# Altium PCB Segger_TypeC_DebugBoard_v1.PcbDoc
Units mm, origin at the board's own origin, x right, y up, seen from the top; angles counter-clockwise.
Board outline 46 x 42 mm, 4 copper layers (Top Layer, Ground 1, Ground 2, Bottom Layer), stack 2.12 mm thick; 26 components, 28 nets, 119 pads, 137 vias.
Unrouted connection lines stored in the file: 18.
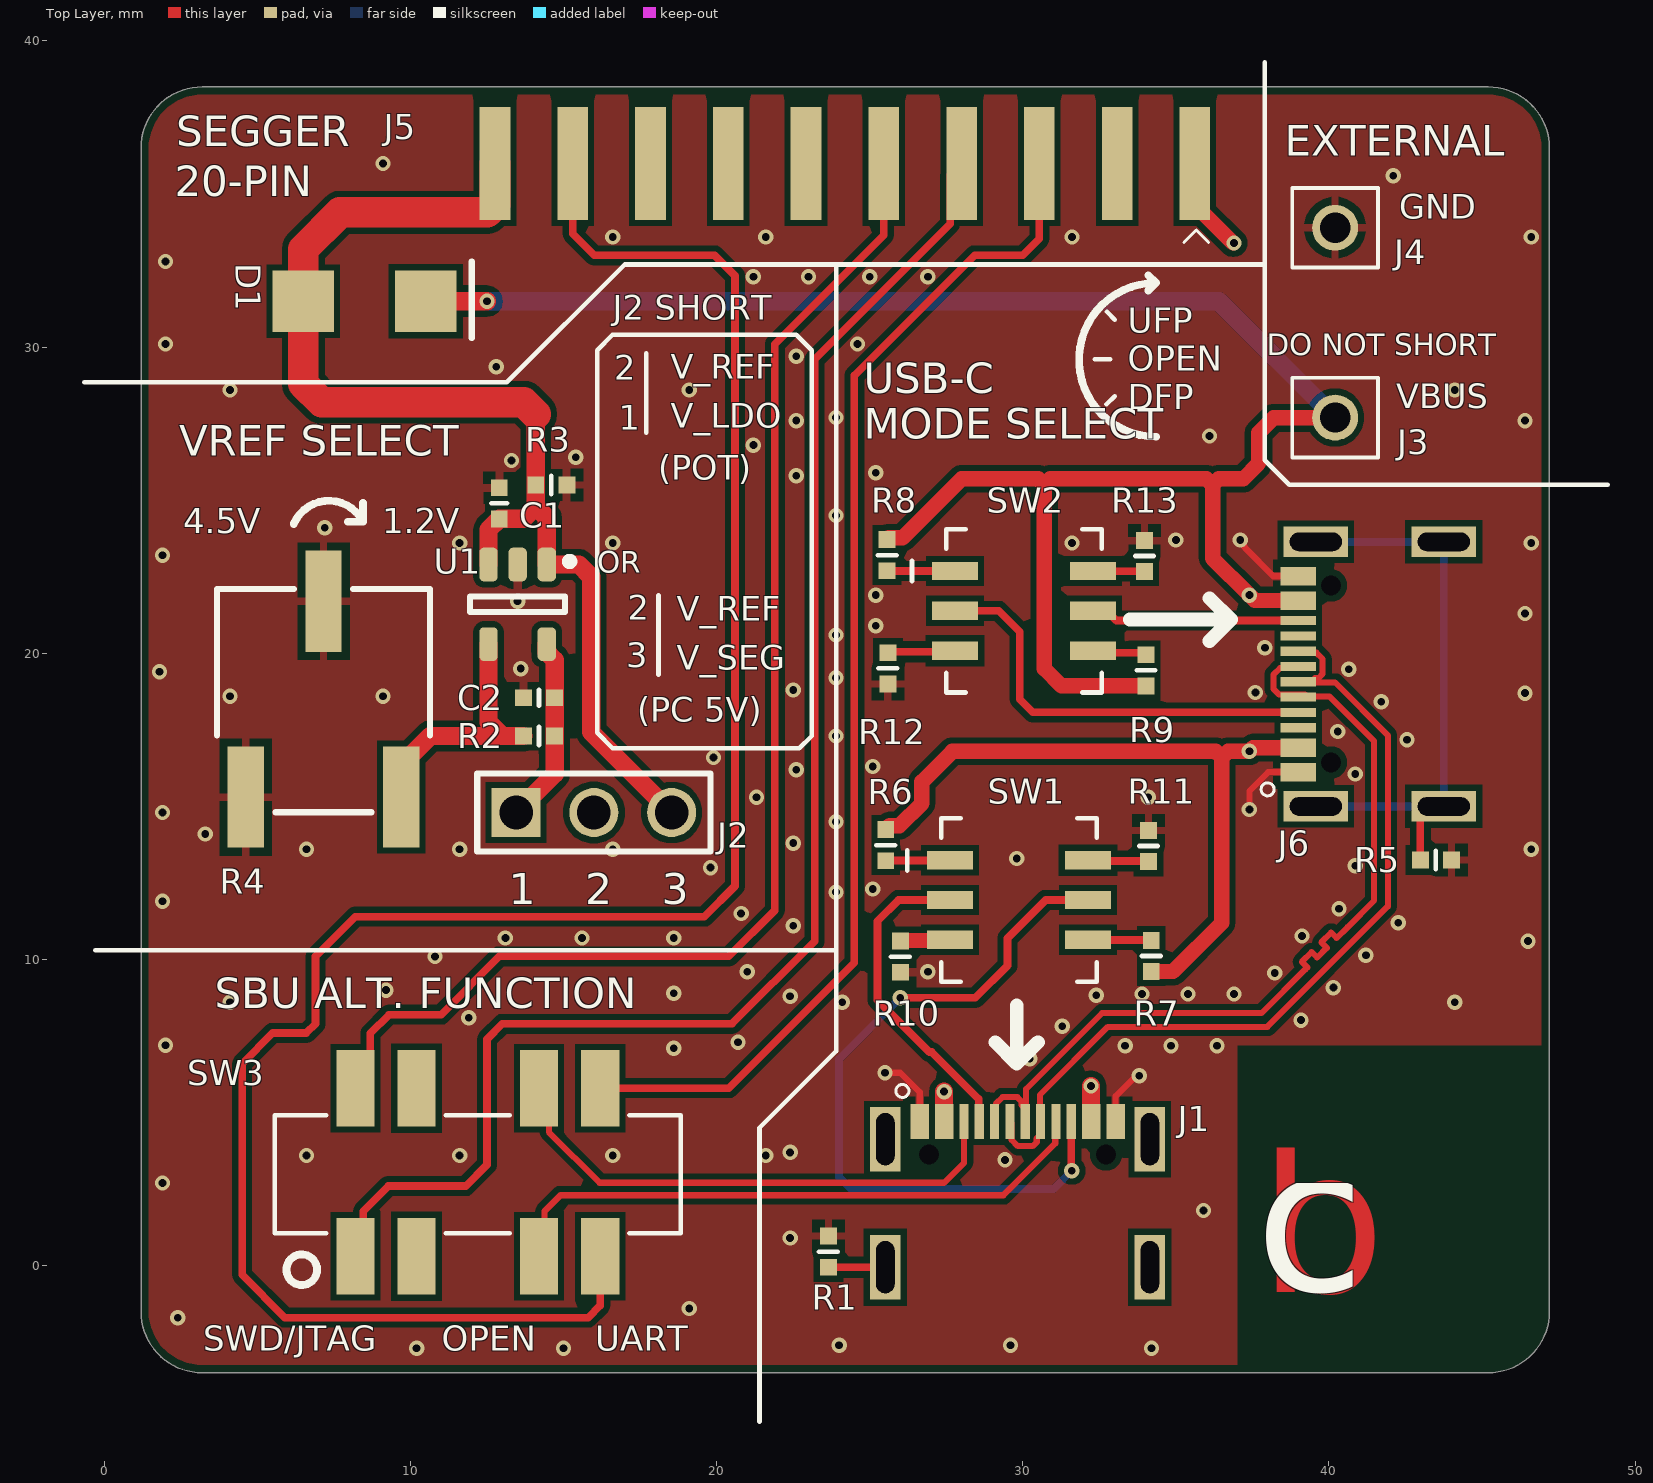
[diagram p0: Top Layer view]
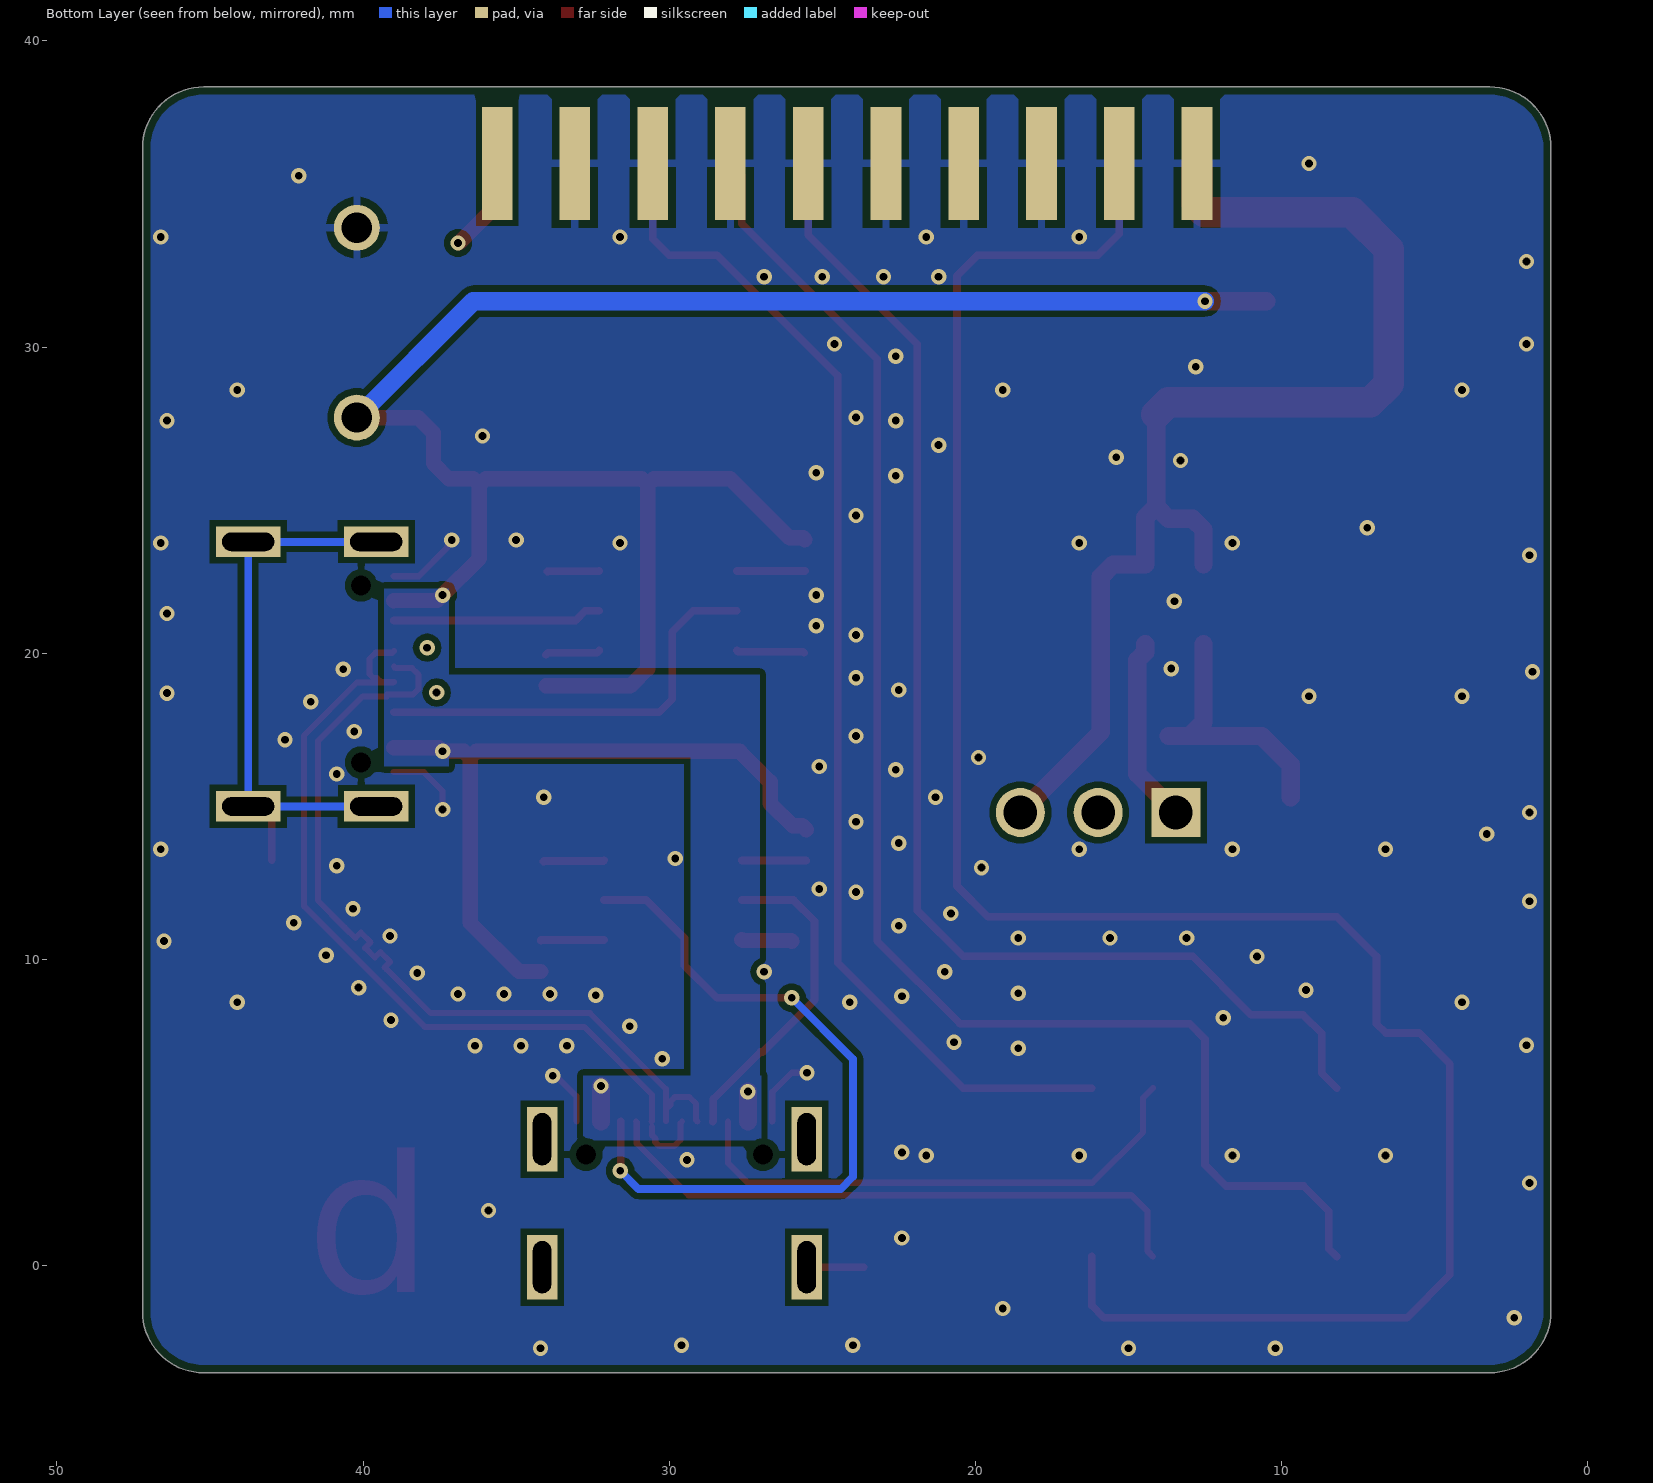
[diagram p1: Bottom Layer view, seen from below]
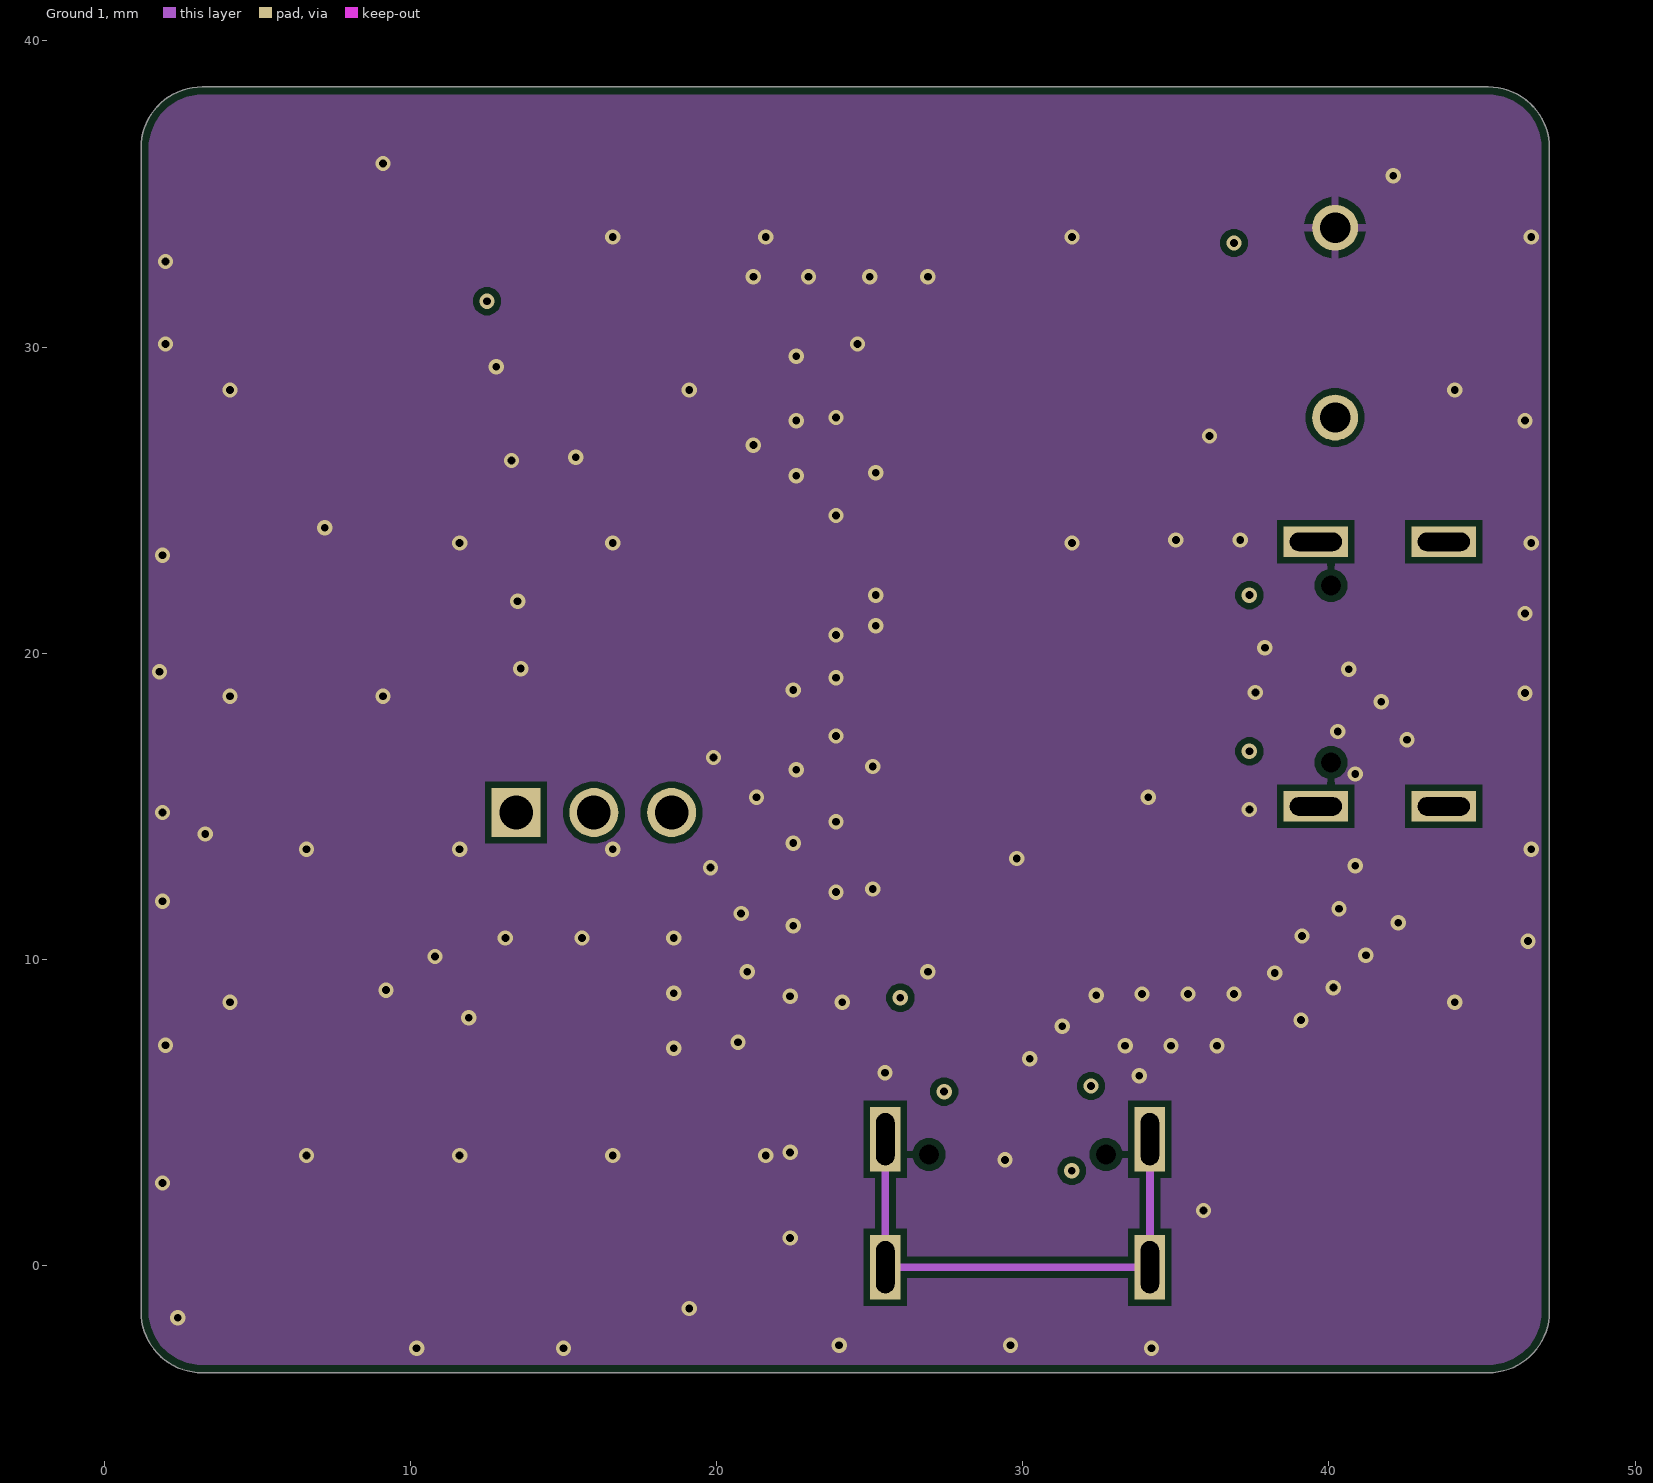
[diagram p2: Ground 1]
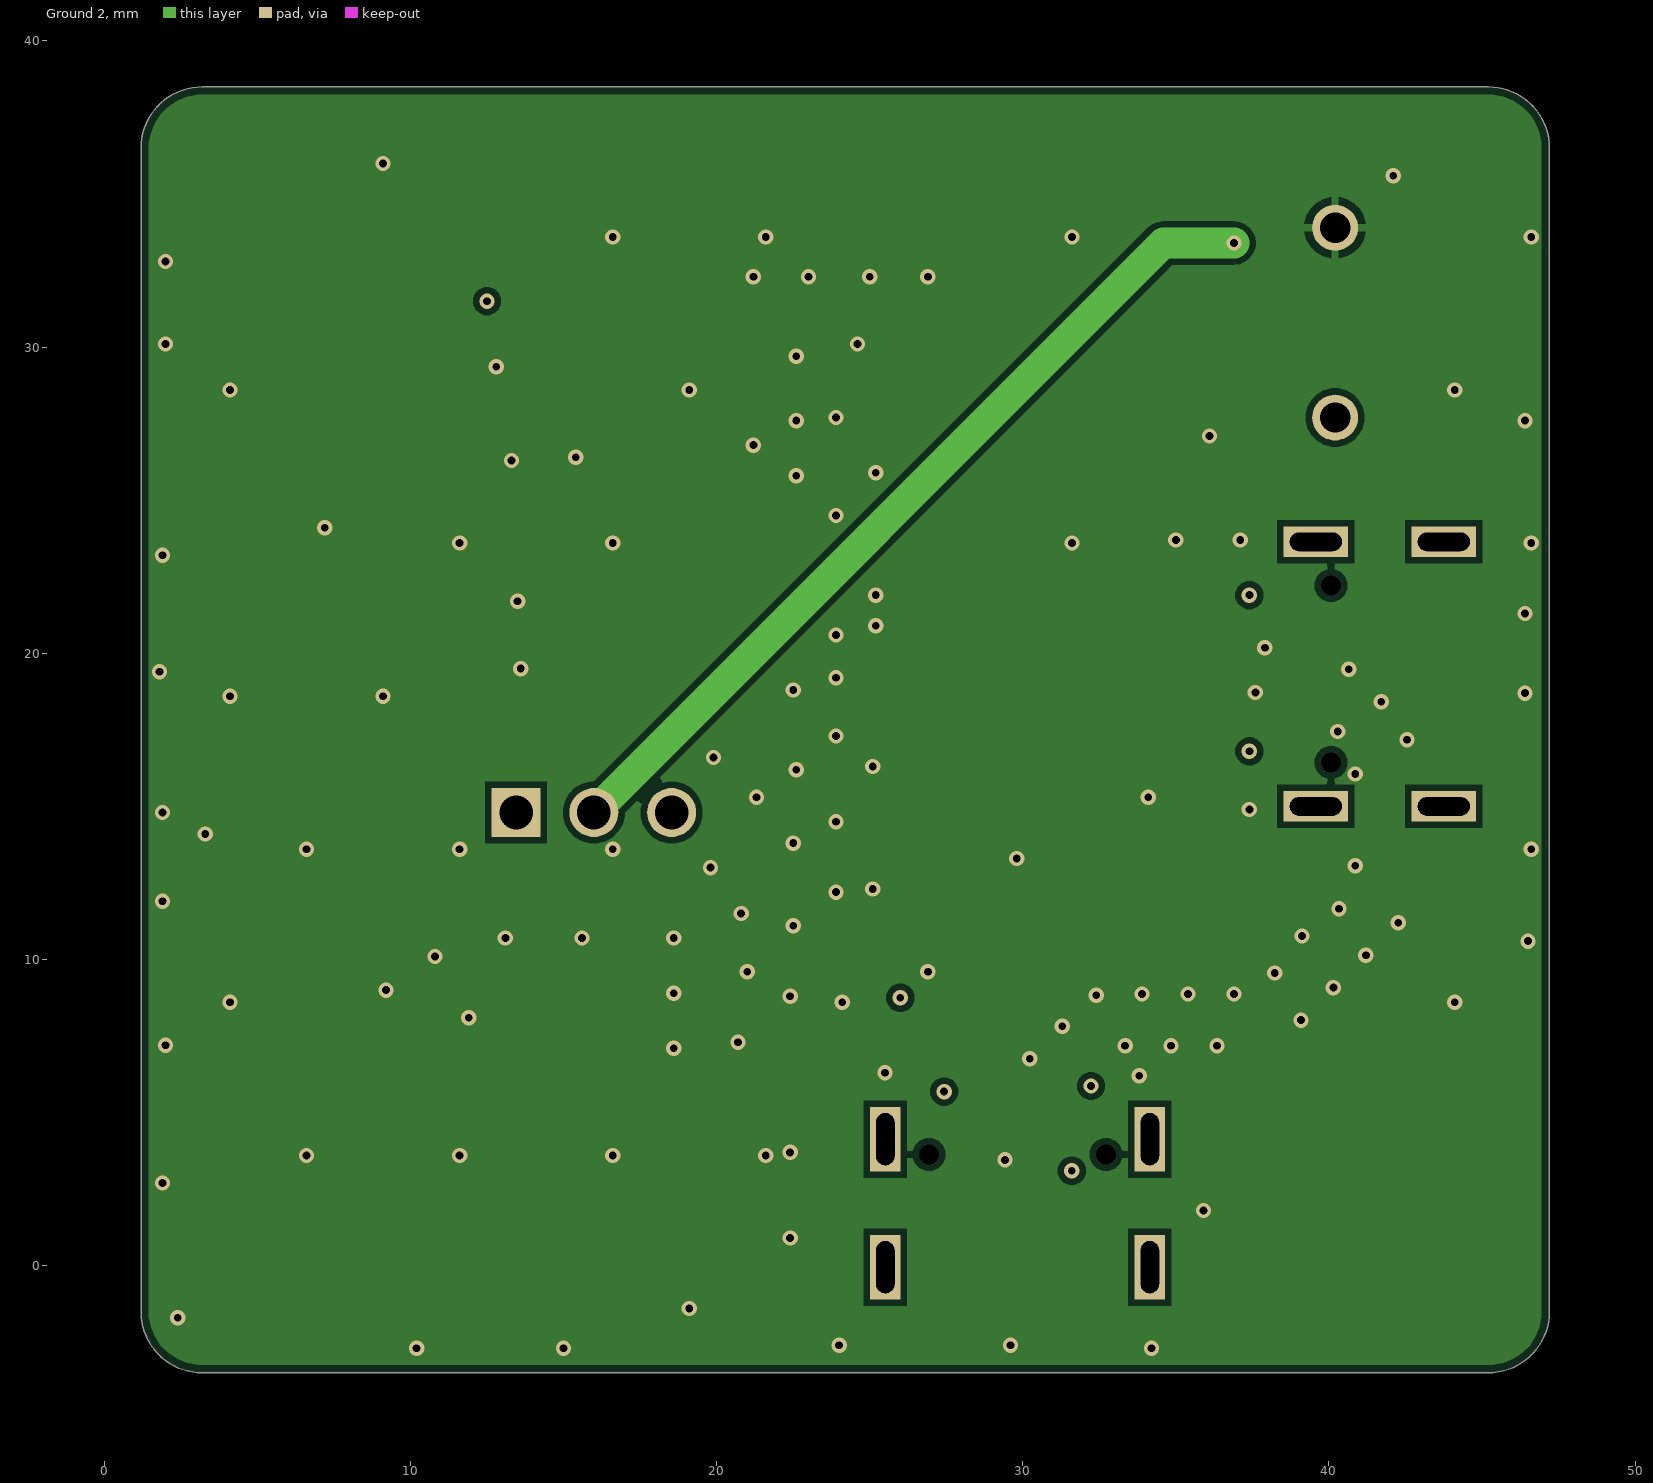
[diagram p3: Ground 2]
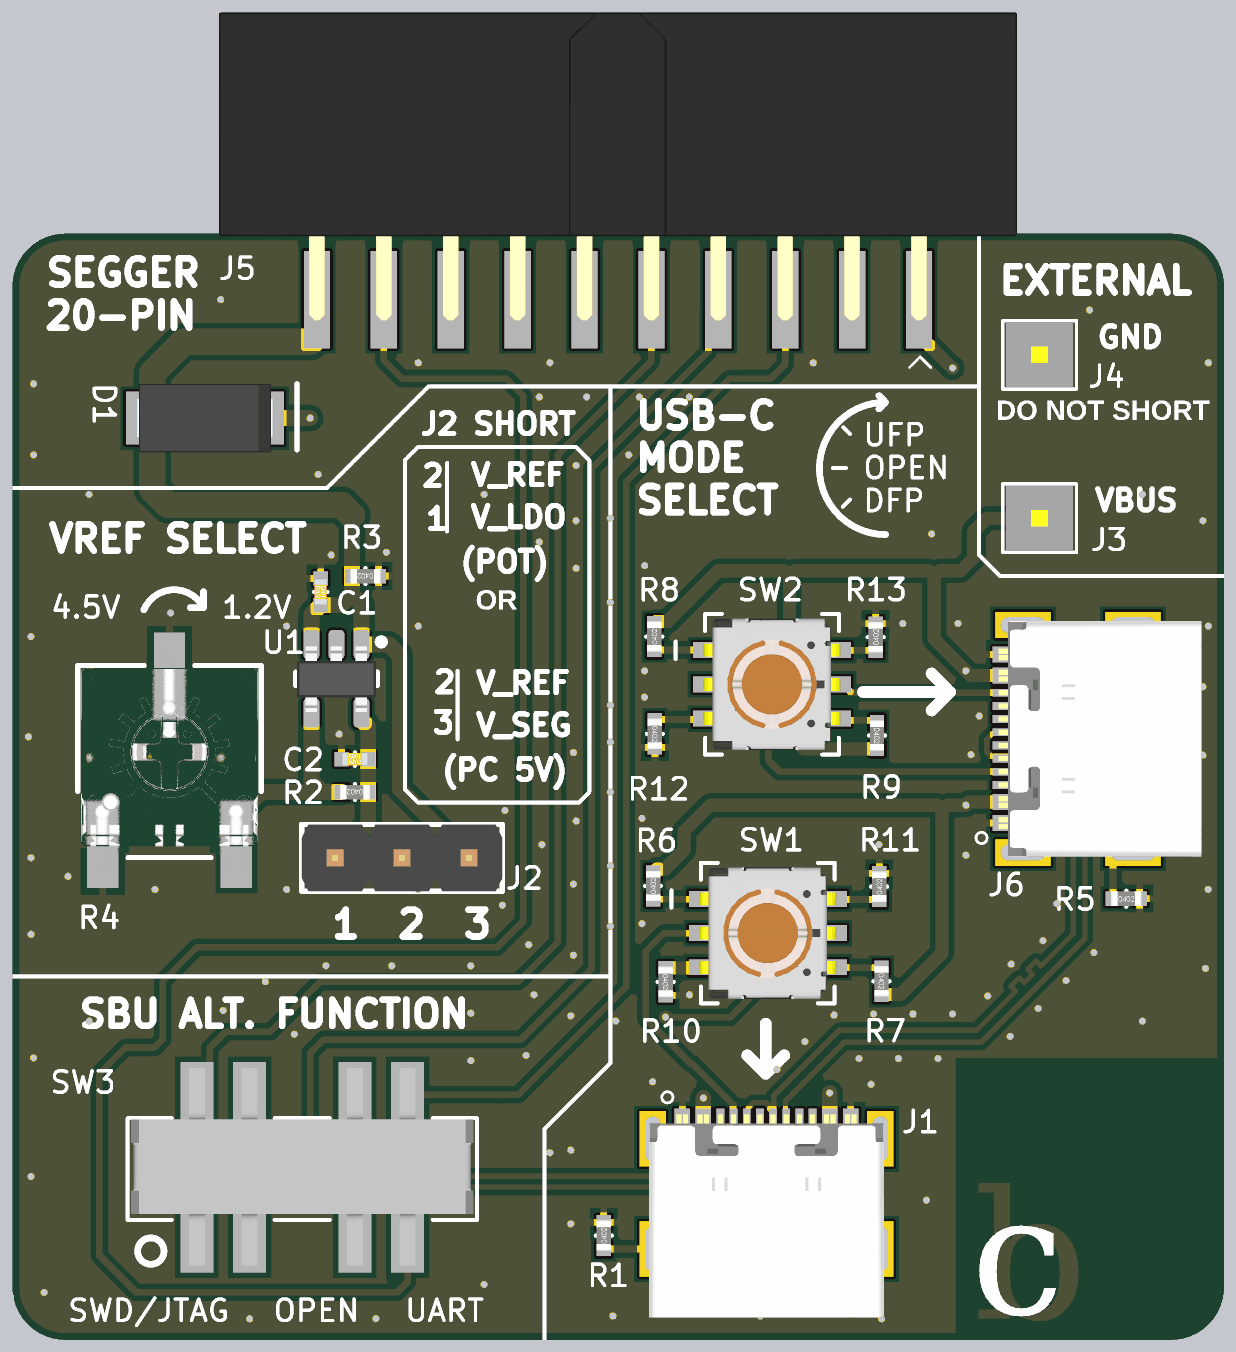
[diagram p4: 3D render of the assembled board from above, using the file's embedded part models]

## Layer stack, top to bottom
Top Solder: solder mask 0.01, Solder Resist, Dk 3.5
Top Layer: signal copper 0.036
Dielectric 2: prepreg 0.1, PP-006, Dk 4.1
Ground 1: signal copper 0.036
Dielectric 1: dielectric 1.776, FR-4, Dk 4.8
Ground 2: signal copper 0.036
Dielectric 3: prepreg 0.1, PP-006, Dk 4.1
Bottom Layer: signal copper 0.036
Bottom Solder: solder mask 0.01, Solder Resist, Dk 3.5

## Board outline
1.2,-1.5 1.2,36.5 cw(c3.2,36.5) 3.2,38.5 45.2,38.5 cw(c45.2,36.5) 47.2,36.5 47.2,-1.5 cw(c45.2,-1.5) 45.2,-3.5 3.2,-3.5 cw(c3.2,-1.5)

## Design rules (kind name [scope] priority, off if disabled: settings)
BoardOutlineClearance [All] p1: gap=0.254 ignorepadtopadclearanceinfootprint=FALSE
Clearance Clearance_1 [InNet('D_N') vs InNet('D_P')] p1: gap=0.127 ignorepadtopadclearanceinfootprint=TRUE
Clearance [All] p2: gap=0.204 ignorepadtopadclearanceinfootprint=TRUE except(0.2: SMDPad-SMDPad)
DiffPairsRouting [All] p1: maxlimit=0.254 minlimit=0.064 mostfreqgap=0.254 toplayer_mingap=0.254 toplayer_minwidth=0.197 toplayer_maxwidth=0.197 toplayer_prefwidth=0.197 bottomlayer_mingap=0.254 bottomlayer_minwidth=0.197 bottomlayer_maxwidth=0.197 bottomlayer_prefwidth=0.197 impedanceprofiledriven=TRUE impedanceprofileid={0198E728-1FD9-412A-8B93-488127616244} impedanceprofilevalue=90.000000 maxuncoupledlength=12.7
HoleSize [All] p1: absolutevalues=TRUE maxlimit=5 minlimit=0.153 maxpercent=80.000 minpercent=20.000
MatchedLengths USB [InDifferentialPair('D')] p1: tolerance=30 checknetsindiffpair=FALSE checkdiffpairvsdiffpair=TRUE checkxsignals=TRUE checkothers=TRUE
MinimumSolderMaskSliver [All] p1: minsoldermaskwidth=0.025
PolygonConnect [All] p1: thpad.connectstyle=Relief thpad.reliefconductorwidth=0.254 thpad.reliefentries=4 thpad.polygonreliefangle="90 Angle" thpad.airgapwidth=0.254 smdpad.connectstyle=Relief smdpad.reliefconductorwidth=0.254 smdpad.reliefentries=4 smdpad.polygonreliefangle="90 Angle" smdpad.airgapwidth=0.254 via.connectstyle=Direct via.reliefconductorwidth=0.254 via.reliefentries=4 via.polygonreliefangle="90 Angle" via.airgapwidth=0.254
RoutingVias [All] p1: holewidth=0.305 width=0.61 viastyle="Through Hole" minholewidth=0.254 minwidth=0.5 maxholewidth=0.5 maxwidth=1.27
SilkToSolderMaskClearance [IsPad] p1: minsilkscreentomaskgap=0.025 clearancetoexposedcopper=TRUE
SolderMaskExpansion [All] p1: expansion=0.102 istentingtop=FALSE
SupplyNets "Schematic Supply Nets" [InNet('VBUS')] p1: voltage=0.000
SupplyNets "Schematic Supply Nets_5" [InNet('V_DUTVREF')] p2: voltage=0.000
SupplyNets "Schematic Supply Nets_4" [InNet('V_FAKEVREF')] p3: voltage=0.000
SupplyNets "Schematic Supply Nets_3" [InNet('GND')] p4: voltage=0.000
SupplyNets "Schematic Supply Nets_1" [InNet('VSRC_SEGGER')] p5: voltage=0.000
Width [All] p1: maxlimit=25.4 minlimit=0.204 preferedwidth=0.254 midlayer1_maxwidth=1 midlayer2_maxwidth=1 minimp=50.000000 maximp=50.000000 favimp=50.000000
26 further rules are at their usual default settings.

## Classes and differential pairs
differential pair D: +D_P -D_N

## Components (designator, comment, footprint, x,y, rotation, side; value= is the part's Value field where it differs from the comment)
C1 "0402ZD105KAT2A" CAP-0402 12.9,24.9 r270 top
C2 "0402ZD105KAT2A" CAP-0402 14.2,18.55 r0 top
D1 "1SMA5942BT3G" DIODE-SMA2 8.5,31.5 r180 top
J1 "USB4105" CONN-USBC-GCT_USB4105 29.83,4.705 r0 top
J2 "61300311121" HDR-V-1X3 15.99,14.8 r0 top
J3 "75160-101-01LF" HDR-V-1X1-M 40.2,27.7 r0 top
J4 "75160-101-01LF" HDR-V-1X1-M 40.2,33.9 r0 top
J5 "SFH11-PBPC-D10-ST-BK" HDR-V-2X10-F-2.54MM 24.19,37 r0 top
J6 "USB4105" CONN-USBC-GCT_USB4105 38.995,19.32 r90 top
R1 "RC0402FR-070RL" RES-0402 23.65,0.458 r270 top value=0Ω
R2 "RC0402FR-0710KL" RES-0402 14.2,17.3 r0 top value=10kΩ
R3 "RC0402FR-07470KL" RES-0402 14.6,25.5 r0 top value=470kΩ
R4 "POT-ROT-100K-SMD" 3361P-1-104GLF 7.16,18.5 r0 top
R5 "RC0402FR-070RL" RES-0402 43.492,13.25 r180 top value=0Ω
R6 "ERJ2GEJ563X" RES-0402 25.522,13.733 r270 top value=56k
R7 "ERJ2GEJ563X" RES-0402 34.196,10.113 r90 top value=56k
R8 "ERJ2GEJ563X" RES-0402 25.567,23.204 r270 top value=56k
R9 "ERJ2GEJ563X" RES-0402 34.026,19.445 r90 top value=56k
R10 "ERJ2GEJ512X" RES-0402 26,10.092 r90 top value=5.1k
R11 "ERJ2GEJ512X" RES-0402 34.107,13.707 r270 top value=5.1k
R12 "ERJ2GEJ512X" RES-0402 25.593,19.508 r90 top value=5.1k
R13 "ERJ2GEJ512X" RES-0402 33.975,23.179 r270 top value=5.1k
SW1 "CS-4-22YTA" SW-BCD-CS-4-22YTA 29.878,11.942 r0 top
SW2 "CS-4-22YTA" SW-BCD-CS-4-22YTA 30.038,21.388 r0 top
SW3 "JS203011SCQN" SW-2P3T-SMD 8.2,0.368 r90 top
U1 "RT9043GB" SOT-23-5 13.5,21.6 r270 top
